# KiCad board leafony-az01c-panelized.kicad_pcb
title: Leafony AZ01C USB-C Leaf; date: 2026-04-22; rev: v1.0; company: mitdir Inc.
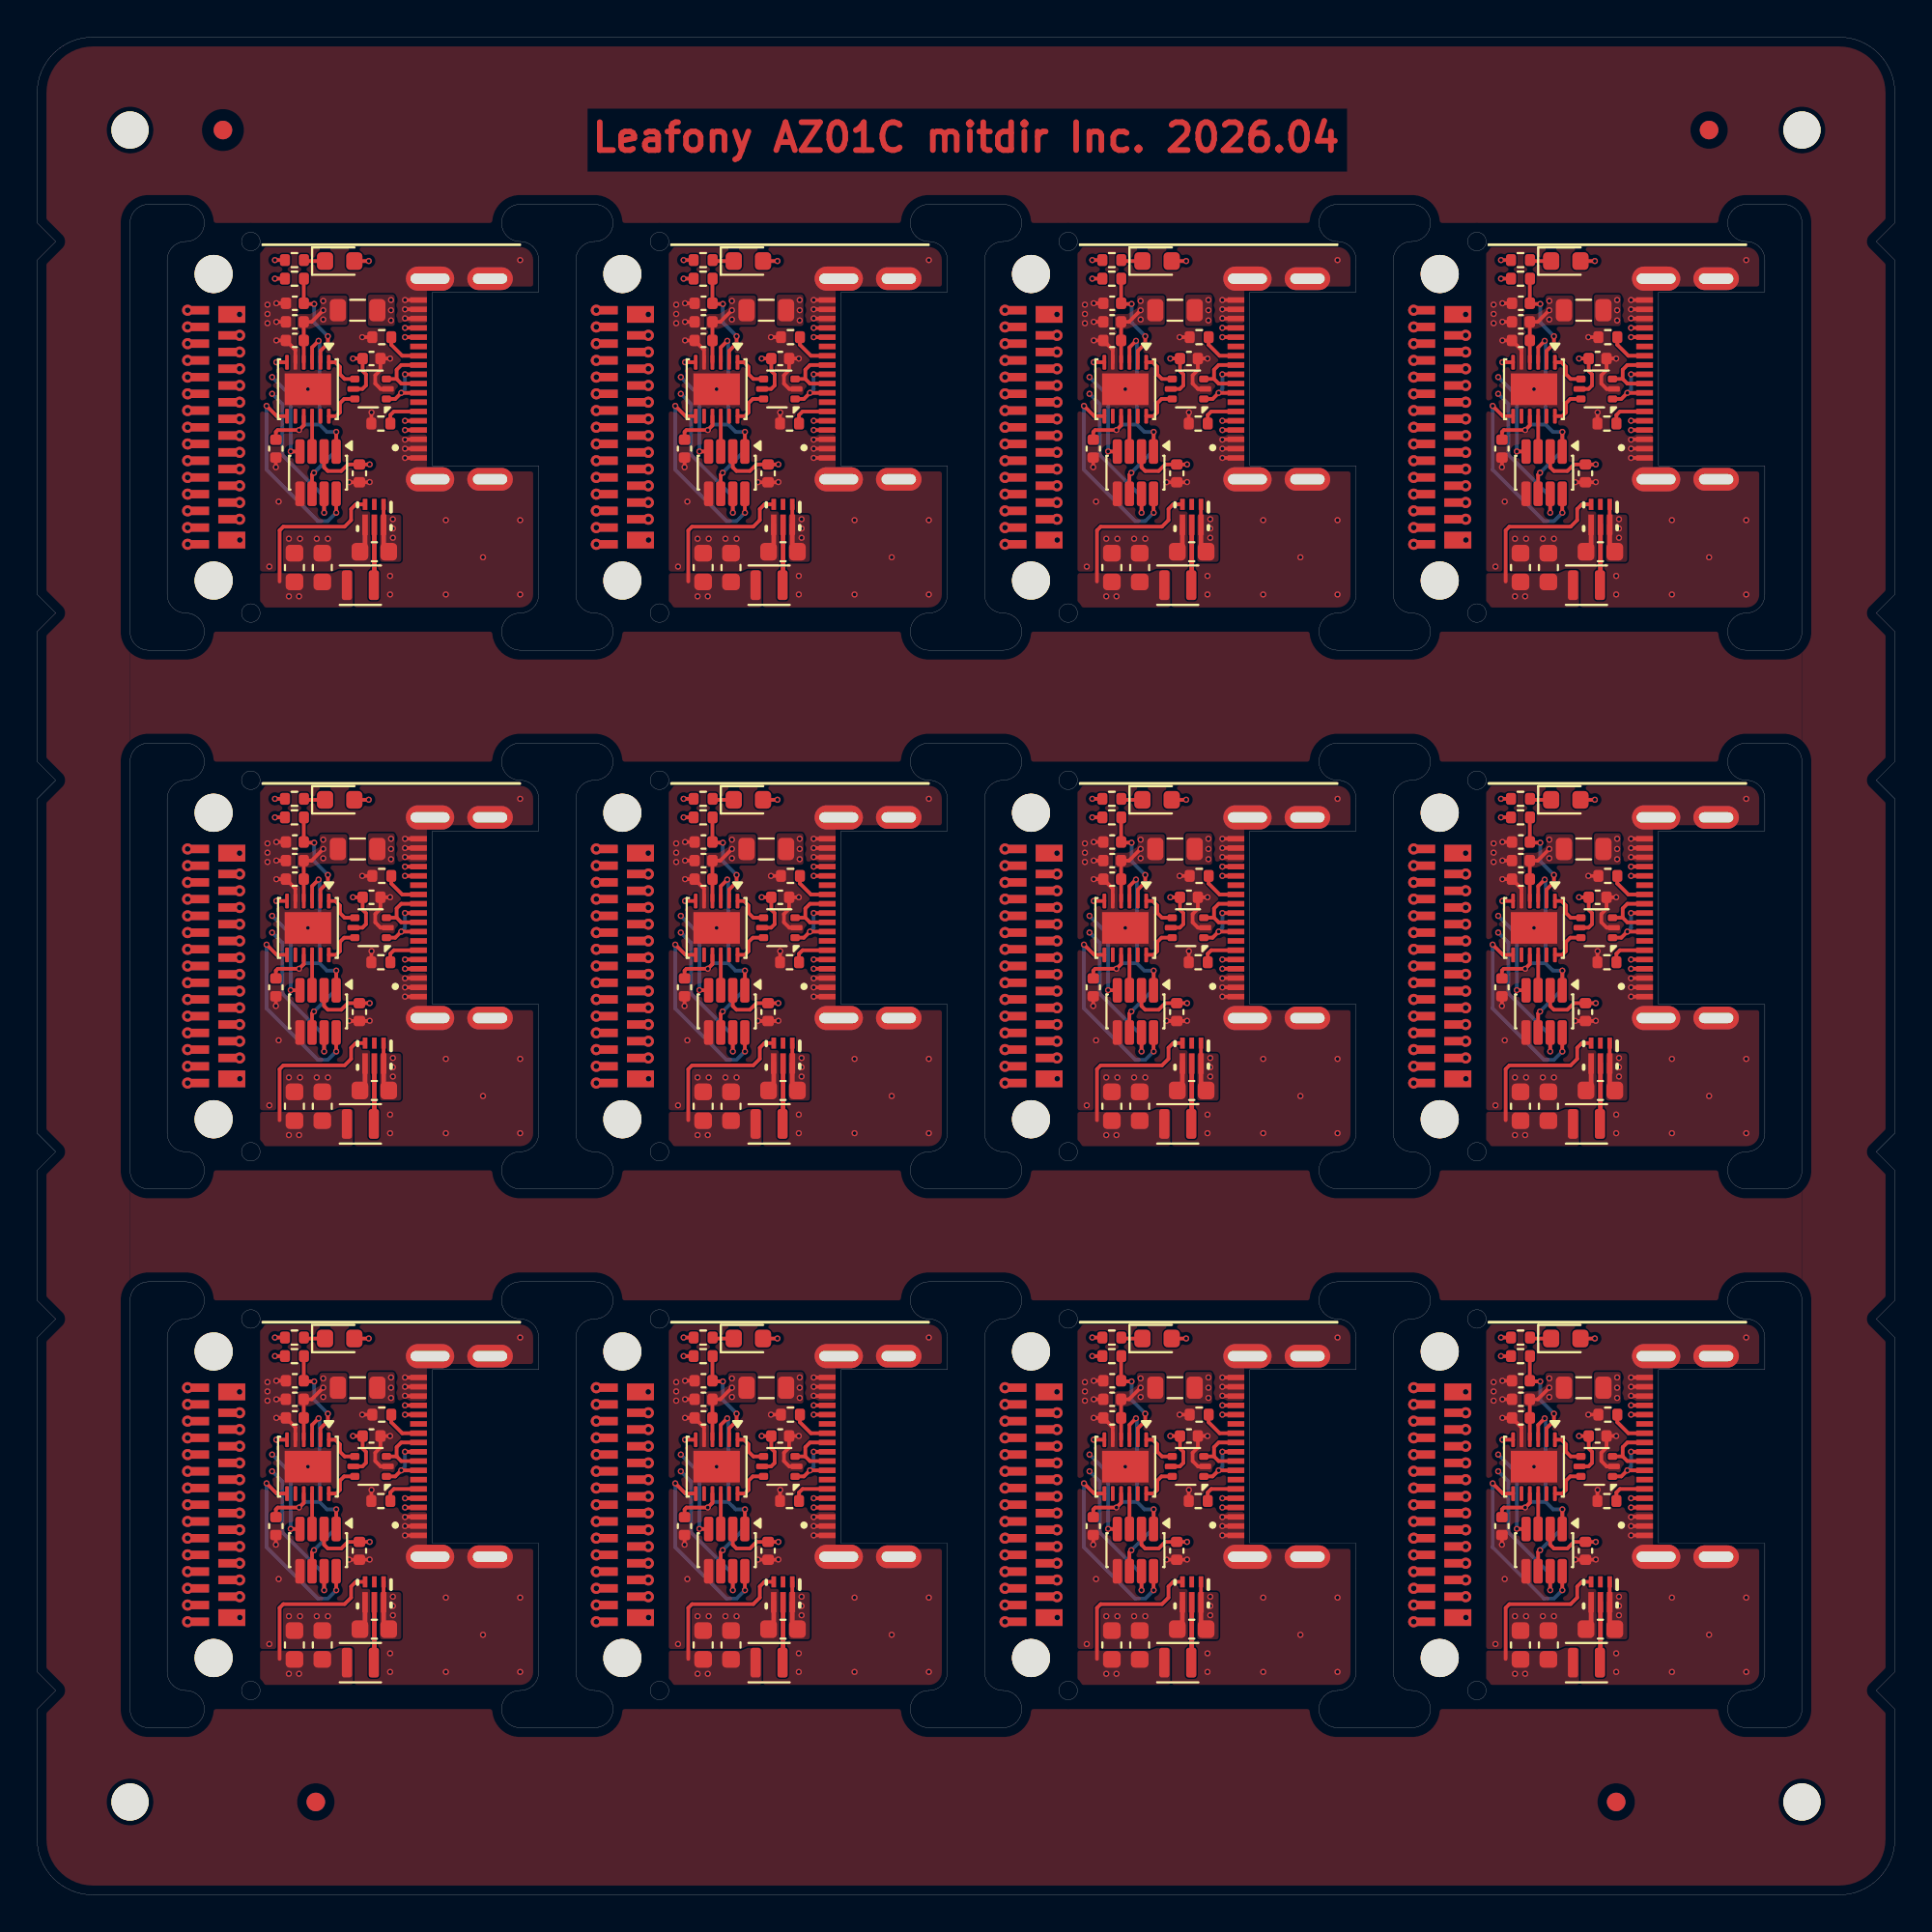
[diagram p0: board, top side]
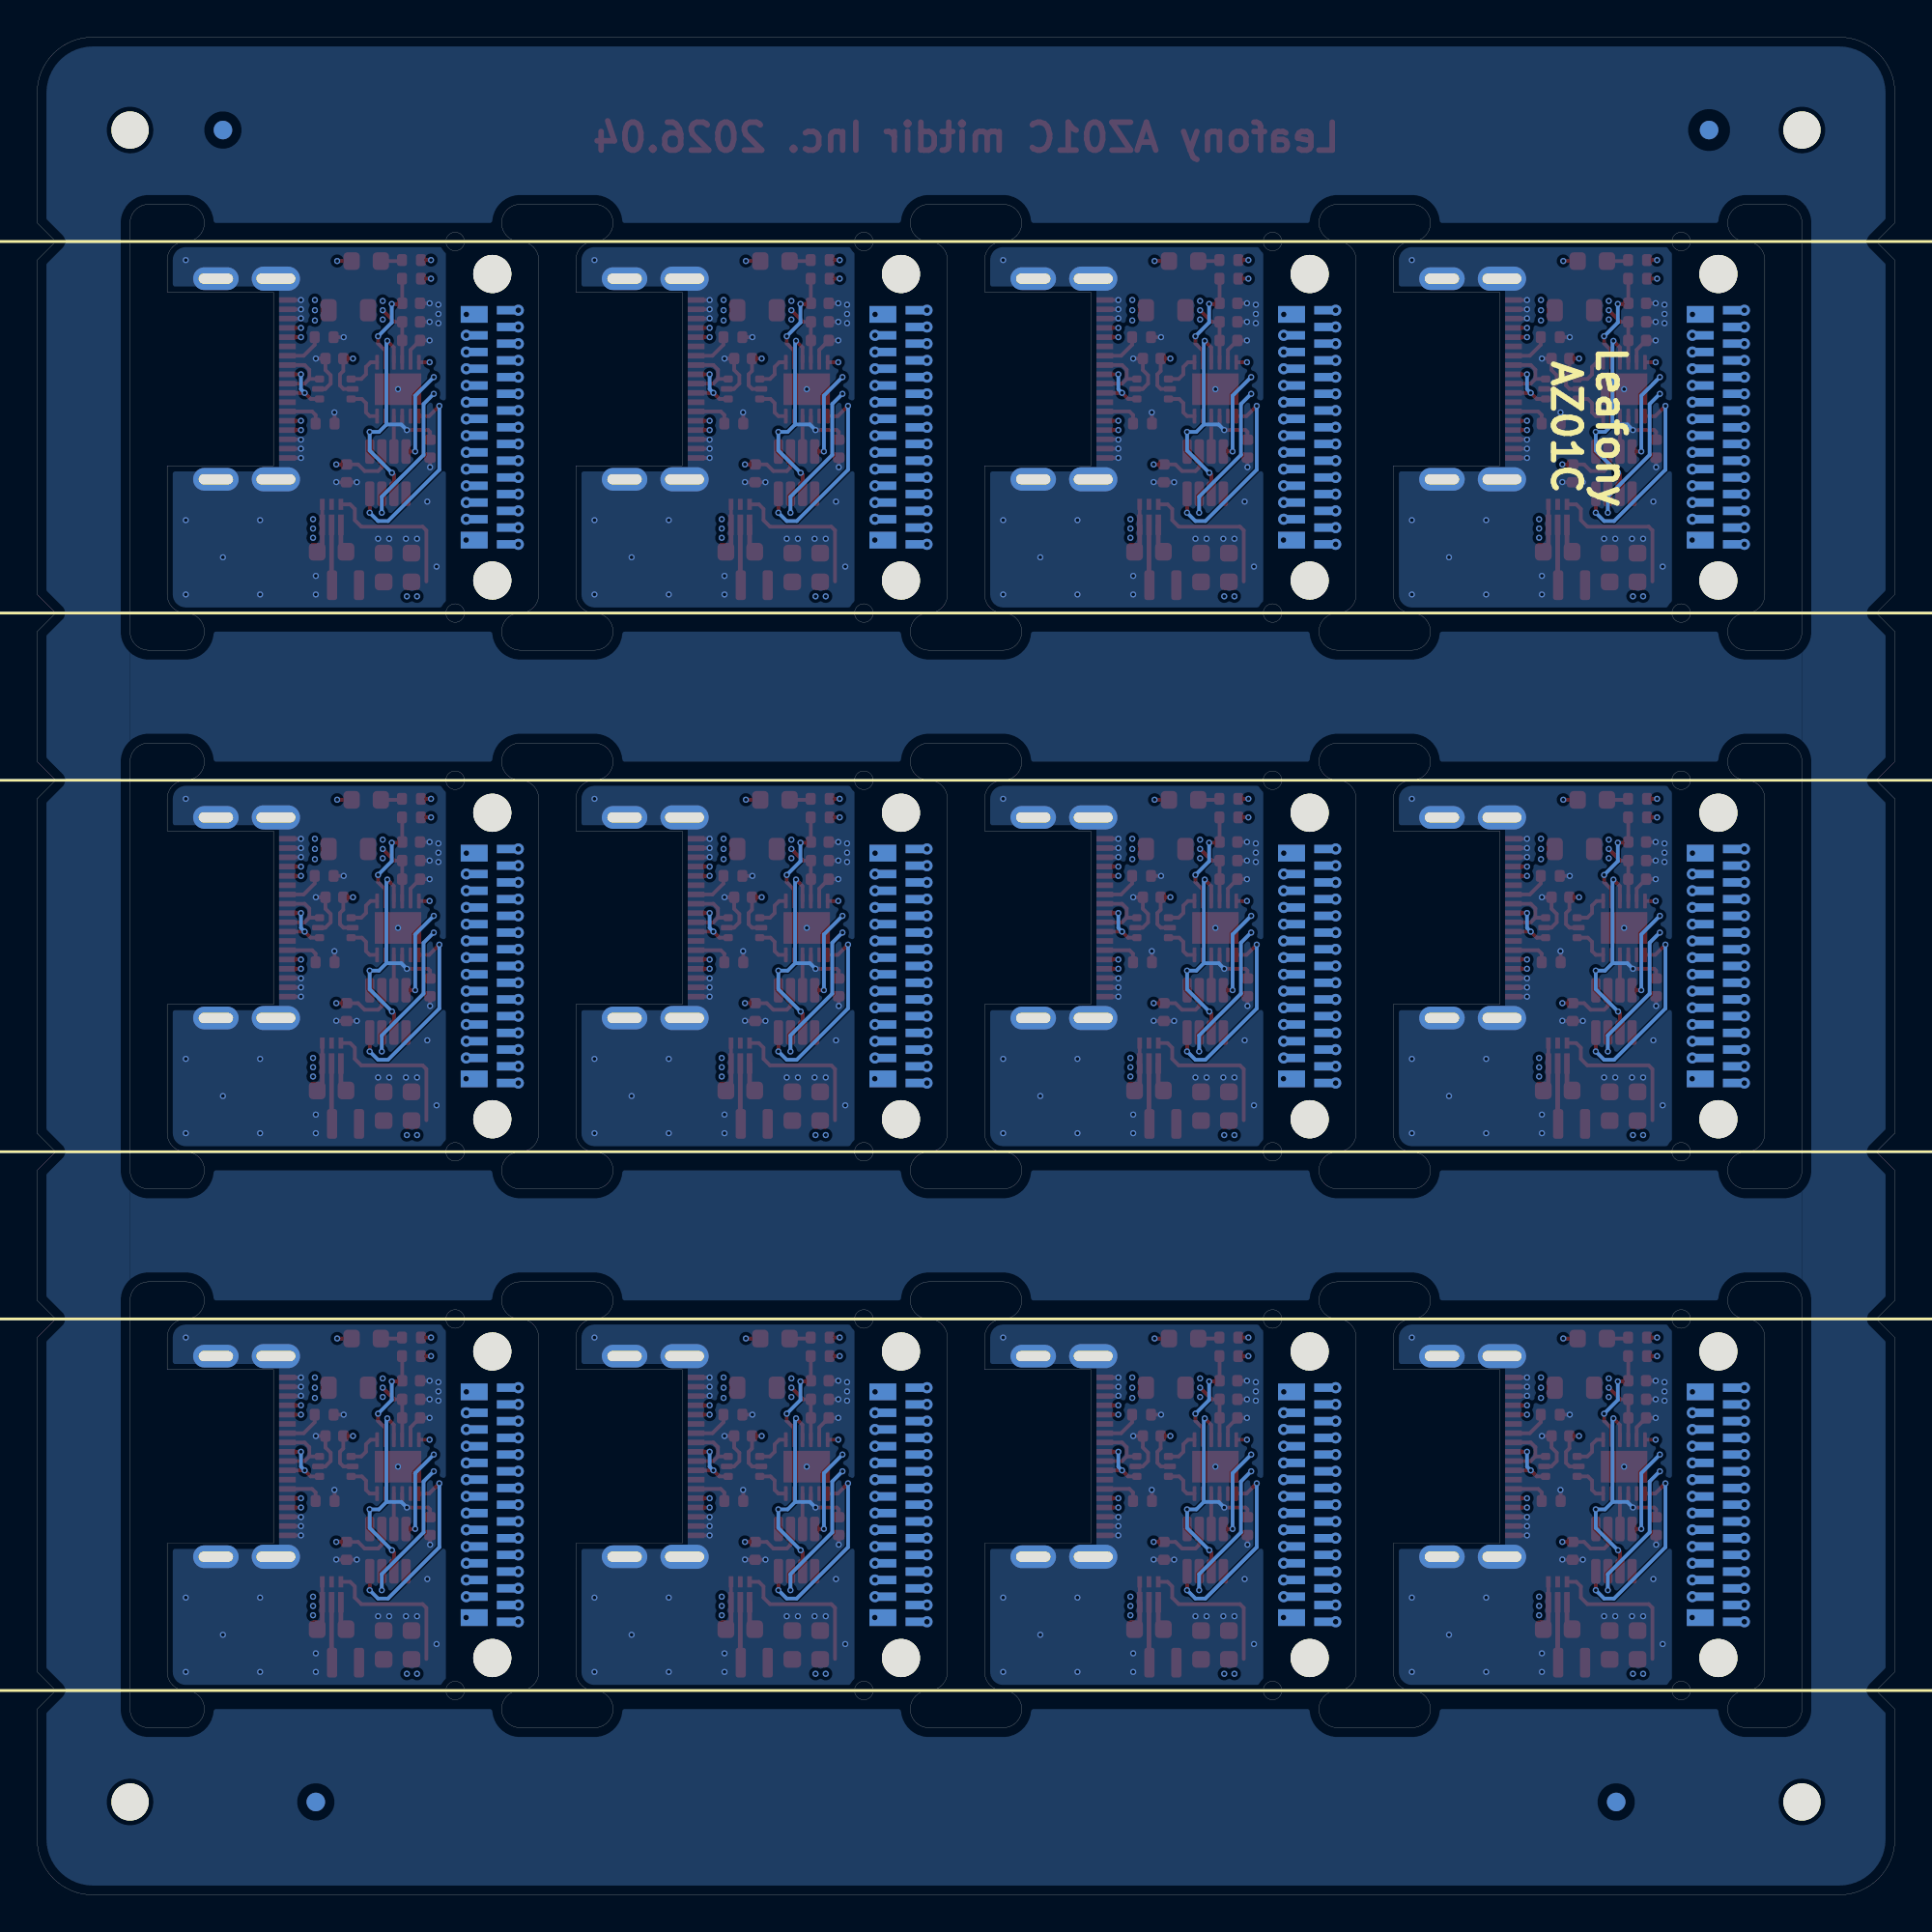
[diagram p1: board, bottom side, seen from below]

Outline 100 x 100 mm; copper layers: Top, In1.Cu, In2.Cu, Bottom. Coordinates in mm from the lower left corner of the outline.
Outline path: 27,87.6 27,88 arc(26.71,88.71) 26,89 arc(25,90) 26,91 30,91 arc(31,90) 30,89 arc(29.29,88.71) 29,88 29,70 arc(29.29,69.29) 30,69 arc(31,68) 30,67 26,67 arc(25,68) 26,69 arc(26.71,69.29) 27,70 27,75.6 ; 27,58.6 27,59 arc(26.71,59.71) 26,60 arc(25,61) 26,62 30,62 arc(31,61) 30,60 arc(29.29,59.71) 29,59 29,41 arc(29.29,40.29) 30,40 arc(31,39) 30,38 26,38 arc(25,39) 26,40 arc(26.71,40.29) 27,41 27,46.6 ; 27,29.6 27,30 arc(26.71,30.71) 26,31 arc(25,32) 26,33 30,33 arc(31,32) 30,31 arc(29.29,30.71) 29,30 29,12 arc(29.29,11.29) 30,11 arc(31,10) 30,9 26,9 arc(25,10) 26,11 arc(26.71,11.29) 27,12 27,17.6 ; 49,87.6 49,88 arc(48.71,88.71) 48,89 arc(47,90) 48,91 52,91 arc(53,90) 52,89 arc(51.29,88.71) 51,88 51,70 arc(51.29,69.29) 52,69 arc(53,68) 52,67 48,67 arc(47,68) 48,69 arc(48.71,69.29) 49,70 49,75.6 ; 49,58.6 49,59 arc(48.71,59.71) 48,60 arc(47,61) 48,62 52,62 arc(53,61) 52,60 arc(51.29,59.71) 51,59 51,41 arc(51.29,40.29) 52,40 arc(53,39) 52,38 48,38 arc(47,39) 48,40 arc(48.71,40.29) 49,41 49,46.6 ; 49,29.6 49,30 arc(48.71,30.71) 48,31 arc(47,32) 48,33 52,33 arc(53,32) 52,31 arc(51.29,30.71) 51,30 51,12 arc(51.29,11.29) 52,11 arc(53,10) 52,9 48,9 arc(47,10) 48,11 arc(48.71,11.29) 49,12 49,17.6 ; 71,87.6 71,88 arc(70.71,88.71) 70,89 arc(69,90) 70,91 74,91 arc(75,90) 74,89 arc(73.29,88.71) 73,88 73,70 arc(73.29,69.29) 74,69 arc(75,68) 74,67 70,67 arc(69,68) 70,69 arc(70.71,69.29) 71,70 71,75.6 ; 71,58.6 71,59 arc(70.71,59.71) 70,60 arc(69,61) 70,62 74,62 arc(75,61) 74,60 arc(73.29,59.71) 73,59 73,41 arc(73.29,40.29) 74,40 arc(75,39) 74,38 70,38 arc(69,39) 70,40 arc(70.71,40.29) 71,41 71,46.6 ; 71,29.6 71,30 arc(70.71,30.71) 70,31 arc(69,32) 70,33 74,33 arc(75,32) 74,31 arc(73.29,30.71) 73,30 73,12 arc(73.29,11.29) 74,11 arc(75,10) 74,9 70,9 arc(69,10) 70,11 arc(70.71,11.29) 71,12 71,17.6 ; 93,87.6 93,88 arc(92.71,88.71) 92,89 arc(91,90) 92,91 94,91 arc(94.71,90.71) 95,90 95,68 arc(94.71,67.29) 94,67 92,67 arc(91,68) 92,69 arc(92.71,69.29) 93,70 93,75.6 ; 93,58.6 93,59 arc(92.71,59.71) 92,60 arc(91,61) 92,62 94,62 arc(94.71,61.71) 95,61 95,39 arc(94.71,38.29) 94,38 92,38 arc(91,39) 92,40 arc(92.71,40.29) 93,41 93,46.6 ; 93,29.6 93,30 arc(92.71,30.71) 92,31 arc(91,32) 92,33 94,33 arc(94.71,32.71) 95,32 95,10 arc(94.71,9.29) 94,9 92,9 arc(91,10) 92,11 arc(92.71,11.29) 93,12 93,17.6 ; 0,97 arc(0.88,99.12) 3,100 97,100 arc(99.12,99.12) 100,97 100,90 99,89 100,88 100,70 99,69 100,68 100,61 99,60 100,59 100,41 99,40 100,39 100,32 99,31 100,30 100,12 99,11 100,10 100,3 arc(99.12,0.88) 97,0 3,0 arc(0.88,0.88) 0,3 0,10 1,11 0,12 0,30 1,31 0,32 0,39 1,40 0,41 0,59 1,60 0,61 0,68 1,69 0,70 0,88 1,89 0,90 0,97 ; 5,90 5,68 arc(5.29,67.29) 6,67 8,67 arc(9,68) 8,69 arc(7.29,69.29) 7,70 7,88 arc(7.29,88.71) 8,89 arc(9,90) 8,91 6,91 arc(5.29,90.71) 5,90 ; 5,61 5,39 arc(5.29,38.29) 6,38 8,38 arc(9,39) 8,40 arc(7.29,40.29) 7,41 7,59 arc(7.29,59.71) 8,60 arc(9,61) 8,62 6,62 arc(5.29,61.71) 5,61 ; 5,32 5,10 arc(5.29,9.29) 6,9 8,9 arc(9,10) 8,11 arc(7.29,11.29) 7,12 7,30 arc(7.29,30.71) 8,31 arc(9,32) 8,33 6,33 arc(5.29,32.71) 5,32 ; 11,89 arc(11.5,89.5) 12,89 arc(11.5,88.5) 11,89 ; 11,69 arc(11.5,69.5) 12,69 arc(11.5,68.5) 11,69 ; 11,60 arc(11.5,60.5) 12,60 arc(11.5,59.5) 11,60 ; 11,40 arc(11.5,40.5) 12,40 arc(11.5,39.5) 11,40 ; 11,31 arc(11.5,31.5) 12,31 arc(11.5,30.5) 11,31 ; 11,11 arc(11.5,11.5) 12,11 arc(11.5,10.5) 11,11 ; 33,89 arc(33.5,89.5) 34,89 arc(33.5,88.5) 33,89 ; 33,69 arc(33.5,69.5) 34,69 arc(33.5,68.5) 33,69 ; 33,60 arc(33.5,60.5) 34,60 arc(33.5,59.5) 33,60 ; 33,40 arc(33.5,40.5) 34,40 arc(33.5,39.5) 33,40 ; 33,31 arc(33.5,31.5) 34,31 arc(33.5,30.5) 33,31 ; 33,11 arc(33.5,11.5) 34,11 arc(33.5,10.5) 33,11 ; 55,89 arc(55.5,89.5) 56,89 arc(55.5,88.5) 55,89 ; 55,69 arc(55.5,69.5) 56,69 arc(55.5,68.5) 55,69 ; 55,60 arc(55.5,60.5) 56,60 arc(55.5,59.5) 55,60 ; 55,40 arc(55.5,40.5) 56,40 arc(55.5,39.5) 55,40 ; 55,31 arc(55.5,31.5) 56,31 arc(55.5,30.5) 55,31 ; 55,11 arc(55.5,11.5) 56,11 arc(55.5,10.5) 55,11 ; 77,89 arc(77.5,89.5) 78,89 arc(77.5,88.5) 77,89 ; 77,69 arc(77.5,69.5) 78,69 arc(77.5,68.5) 77,69 ; 77,60 arc(77.5,60.5) 78,60 arc(77.5,59.5) 77,60 ; 77,40 arc(77.5,40.5) 78,40 arc(77.5,39.5) 77,40 ; 77,31 arc(77.5,31.5) 78,31 arc(77.5,30.5) 77,31 ; 77,11 arc(77.5,11.5) 78,11 arc(77.5,10.5) 77,11
Stack: Top 0.035mm / dielectric 0.1mm FR4 er 4.5 / In1.Cu 0.035mm / dielectric 0.44mm FR4 er 4.5 / In2.Cu 0.035mm / dielectric 0.1mm FR4 er 4.5 / Bottom 0.035mm

## Placement (name value [footprint] x y rotation side)
C1  0.1uF(K)/50V/X5R  [C_0402_1005Metric]  12.85 19.85 270 top
C1#2  0.1uF(K)/50V/X5R  [C_0402_1005Metric]  56.85 77.85 270 top
C1#3  0.1uF(K)/50V/X5R  [C_0402_1005Metric]  12.85 48.85 270 top
C1#4  0.1uF(K)/50V/X5R  [C_0402_1005Metric]  34.85 19.85 270 top
C1#5  0.1uF(K)/50V/X5R  [C_0402_1005Metric]  12.85 77.85 270 top
C1#6  0.1uF(K)/50V/X5R  [C_0402_1005Metric]  56.85 48.85 270 top
C1#7  0.1uF(K)/50V/X5R  [C_0402_1005Metric]  78.85 19.85 270 top
C1#8  0.1uF(K)/50V/X5R  [C_0402_1005Metric]  78.85 48.85 270 top
C1#9  0.1uF(K)/50V/X5R  [C_0402_1005Metric]  78.85 77.85 270 top
C1#10  0.1uF(K)/50V/X5R  [C_0402_1005Metric]  34.85 48.85 270 top
C1#11  0.1uF(K)/50V/X5R  [C_0402_1005Metric]  34.85 77.85 270 top
C1#12  0.1uF(K)/50V/X5R  [C_0402_1005Metric]  56.85 19.85 270 top
C2  0.1uF(K)/50V/X5R  [C_0402_1005Metric]  13.87 54.67 180 top
C2#2  0.1uF(K)/50V/X5R  [C_0402_1005Metric]  35.87 54.67 180 top
C2#3  0.1uF(K)/50V/X5R  [C_0402_1005Metric]  57.87 54.67 180 top
C2#4  0.1uF(K)/50V/X5R  [C_0402_1005Metric]  79.87 54.67 180 top
C2#5  0.1uF(K)/50V/X5R  [C_0402_1005Metric]  57.87 83.67 180 top
C2#6  0.1uF(K)/50V/X5R  [C_0402_1005Metric]  13.87 25.67 180 top
C2#7  0.1uF(K)/50V/X5R  [C_0402_1005Metric]  57.87 25.67 180 top
C2#8  0.1uF(K)/50V/X5R  [C_0402_1005Metric]  35.87 25.67 180 top
C2#9  0.1uF(K)/50V/X5R  [C_0402_1005Metric]  13.87 83.67 180 top
C2#10  0.1uF(K)/50V/X5R  [C_0402_1005Metric]  79.87 83.67 180 top
C2#11  0.1uF(K)/50V/X5R  [C_0402_1005Metric]  35.87 83.67 180 top
C2#12  0.1uF(K)/50V/X5R  [C_0402_1005Metric]  79.87 25.67 180 top
C3  4.7uF(M)/6.3V/X5R  [C_0402_1005Metric]  13.87 55.67 0 top
C3#2  4.7uF(M)/6.3V/X5R  [C_0402_1005Metric]  13.87 26.67 0 top
C3#3  4.7uF(M)/6.3V/X5R  [C_0402_1005Metric]  79.87 26.67 0 top
C3#4  4.7uF(M)/6.3V/X5R  [C_0402_1005Metric]  35.87 55.67 0 top
C3#5  4.7uF(M)/6.3V/X5R  [C_0402_1005Metric]  79.87 55.67 0 top
C3#6  4.7uF(M)/6.3V/X5R  [C_0402_1005Metric]  13.87 84.67 0 top
C3#7  4.7uF(M)/6.3V/X5R  [C_0402_1005Metric]  35.87 26.67 0 top
C3#8  4.7uF(M)/6.3V/X5R  [C_0402_1005Metric]  57.87 26.67 0 top
C3#9  4.7uF(M)/6.3V/X5R  [C_0402_1005Metric]  57.87 84.67 0 top
C3#10  4.7uF(M)/6.3V/X5R  [C_0402_1005Metric]  35.87 84.67 0 top
C3#11  4.7uF(M)/6.3V/X5R  [C_0402_1005Metric]  79.87 84.67 0 top
C3#12  4.7uF(M)/6.3V/X5R  [C_0402_1005Metric]  57.87 55.67 0 top
C4  0.1uF(K)/50V/X5R  [C_0402_1005Metric]  83.35 76.52 90 top
C4#2  0.1uF(K)/50V/X5R  [C_0402_1005Metric]  17.35 18.52 90 top
C4#3  0.1uF(K)/50V/X5R  [C_0402_1005Metric]  83.35 47.52 90 top
C4#4  0.1uF(K)/50V/X5R  [C_0402_1005Metric]  39.35 47.52 90 top
C4#5  0.1uF(K)/50V/X5R  [C_0402_1005Metric]  61.35 47.52 90 top
C4#6  0.1uF(K)/50V/X5R  [C_0402_1005Metric]  61.35 76.52 90 top
C4#7  0.1uF(K)/50V/X5R  [C_0402_1005Metric]  39.35 18.52 90 top
C4#8  0.1uF(K)/50V/X5R  [C_0402_1005Metric]  39.35 76.52 90 top
C4#9  0.1uF(K)/50V/X5R  [C_0402_1005Metric]  17.35 76.52 90 top
C4#10  0.1uF(K)/50V/X5R  [C_0402_1005Metric]  61.35 18.52 90 top
C4#11  0.1uF(K)/50V/X5R  [C_0402_1005Metric]  83.35 18.52 90 top
C4#12  0.1uF(K)/50V/X5R  [C_0402_1005Metric]  17.35 47.52 90 top
C5  0.1uF(K)/50V/X5R  [C_0402_1005Metric]  18 82.7 180 top
C5#2  0.1uF(K)/50V/X5R  [C_0402_1005Metric]  18 24.7 180 top
C5#3  0.1uF(K)/50V/X5R  [C_0402_1005Metric]  62 53.7 180 top
C5#4  0.1uF(K)/50V/X5R  [C_0402_1005Metric]  62 82.7 180 top
C5#5  0.1uF(K)/50V/X5R  [C_0402_1005Metric]  18 53.7 180 top
C5#6  0.1uF(K)/50V/X5R  [C_0402_1005Metric]  40 24.7 180 top
C5#7  0.1uF(K)/50V/X5R  [C_0402_1005Metric]  84 24.7 180 top
C5#8  0.1uF(K)/50V/X5R  [C_0402_1005Metric]  40 53.7 180 top
C5#9  0.1uF(K)/50V/X5R  [C_0402_1005Metric]  84 53.7 180 top
C5#10  0.1uF(K)/50V/X5R  [C_0402_1005Metric]  40 82.7 180 top
C5#11  0.1uF(K)/50V/X5R  [C_0402_1005Metric]  84 82.7 180 top
C5#12  0.1uF(K)/50V/X5R  [C_0402_1005Metric]  62 24.7 180 top
C6  10nF(K)/50V/X7R  [C_0402_1005Metric]  35.87 56.67 0 top
C6#2  10nF(K)/50V/X7R  [C_0402_1005Metric]  13.87 85.67 0 top
C6#3  10nF(K)/50V/X7R  [C_0402_1005Metric]  57.87 56.67 0 top
C6#4  10nF(K)/50V/X7R  [C_0402_1005Metric]  35.87 27.67 0 top
C6#5  10nF(K)/50V/X7R  [C_0402_1005Metric]  79.87 56.67 0 top
C6#6  10nF(K)/50V/X7R  [C_0402_1005Metric]  79.87 27.67 0 top
C6#7  10nF(K)/50V/X7R  [C_0402_1005Metric]  57.87 85.67 0 top
C6#8  10nF(K)/50V/X7R  [C_0402_1005Metric]  13.87 27.67 0 top
C6#9  10nF(K)/50V/X7R  [C_0402_1005Metric]  13.87 56.67 0 top
C6#10  10nF(K)/50V/X7R  [C_0402_1005Metric]  79.87 85.67 0 top
C6#11  10nF(K)/50V/X7R  [C_0402_1005Metric]  57.87 27.67 0 top
C6#12  10nF(K)/50V/X7R  [C_0402_1005Metric]  35.87 85.67 0 top
C7  4.7uF(K) 10V X5R  [C_0603_1608Metric]  84.15 72.3 180 top
C7#2  4.7uF(K) 10V X5R  [C_0603_1608Metric]  62.15 72.3 180 top
C7#3  4.7uF(K) 10V X5R  [C_0603_1608Metric]  84.15 43.3 180 top
C7#4  4.7uF(K) 10V X5R  [C_0603_1608Metric]  18.15 43.3 180 top
C7#5  4.7uF(K) 10V X5R  [C_0603_1608Metric]  40.15 43.3 180 top
C7#6  4.7uF(K) 10V X5R  [C_0603_1608Metric]  40.15 72.3 180 top
C7#7  4.7uF(K) 10V X5R  [C_0603_1608Metric]  84.15 14.3 180 top
C7#8  4.7uF(K) 10V X5R  [C_0603_1608Metric]  18.15 14.3 180 top
C7#9  4.7uF(K) 10V X5R  [C_0603_1608Metric]  40.15 14.3 180 top
C7#10  4.7uF(K) 10V X5R  [C_0603_1608Metric]  18.15 72.3 180 top
C7#11  4.7uF(K) 10V X5R  [C_0603_1608Metric]  62.15 43.3 180 top
C7#12  4.7uF(K) 10V X5R  [C_0603_1608Metric]  62.15 14.3 180 top
C8  10uF(M) 10V X5R  [C_0603_1608Metric]  81.35 71.45 90 top
C8#2  10uF(M) 10V X5R  [C_0603_1608Metric]  81.35 13.45 90 top
C8#3  10uF(M) 10V X5R  [C_0603_1608Metric]  15.35 13.45 90 top
C8#4  10uF(M) 10V X5R  [C_0603_1608Metric]  59.35 42.45 90 top
C8#5  10uF(M) 10V X5R  [C_0603_1608Metric]  15.35 42.45 90 top
C8#6  10uF(M) 10V X5R  [C_0603_1608Metric]  37.35 42.45 90 top
C8#7  10uF(M) 10V X5R  [C_0603_1608Metric]  37.35 13.45 90 top
C8#8  10uF(M) 10V X5R  [C_0603_1608Metric]  59.35 13.45 90 top
C8#9  10uF(M) 10V X5R  [C_0603_1608Metric]  59.35 71.45 90 top
C8#10  10uF(M) 10V X5R  [C_0603_1608Metric]  15.35 71.45 90 top
C8#11  10uF(M) 10V X5R  [C_0603_1608Metric]  37.35 71.45 90 top
C8#12  10uF(M) 10V X5R  [C_0603_1608Metric]  81.35 42.45 90 top
C9  10uF(M) 10V X5R  [C_0603_1608Metric]  13.85 13.45 90 top
C9#2  10uF(M) 10V X5R  [C_0603_1608Metric]  79.85 13.45 90 top
C9#3  10uF(M) 10V X5R  [C_0603_1608Metric]  57.85 13.45 90 top
C9#4  10uF(M) 10V X5R  [C_0603_1608Metric]  35.85 71.45 90 top
C9#5  10uF(M) 10V X5R  [C_0603_1608Metric]  13.85 71.45 90 top
C9#6  10uF(M) 10V X5R  [C_0603_1608Metric]  57.85 71.45 90 top
C9#7  10uF(M) 10V X5R  [C_0603_1608Metric]  13.85 42.45 90 top
C9#8  10uF(M) 10V X5R  [C_0603_1608Metric]  57.85 42.45 90 top
C9#9  10uF(M) 10V X5R  [C_0603_1608Metric]  35.85 42.45 90 top
C9#10  10uF(M) 10V X5R  [C_0603_1608Metric]  79.85 71.45 90 top
C9#11  10uF(M) 10V X5R  [C_0603_1608Metric]  35.85 13.45 90 top
C9#12  10uF(M) 10V X5R  [C_0603_1608Metric]  79.85 42.45 90 top
CN1  Leafony Bus  [CN_F29_B29]  76.47 14.92 90 top
CN1#2  Leafony Bus  [CN_F29_B29]  10.48 43.92 90 top
CN1#3  Leafony Bus  [CN_F29_B29]  54.47 14.92 90 top
CN1#4  Leafony Bus  [CN_F29_B29]  54.47 43.92 90 top
CN1#5  Leafony Bus  [CN_F29_B29]  54.47 72.92 90 top
CN1#6  Leafony Bus  [CN_F29_B29]  76.47 43.92 90 top
CN1#7  Leafony Bus  [CN_F29_B29]  32.48 14.92 90 top
CN1#8  Leafony Bus  [CN_F29_B29]  10.48 72.92 90 top
CN1#9  Leafony Bus  [CN_F29_B29]  32.48 43.92 90 top
CN1#10  Leafony Bus  [CN_F29_B29]  32.48 72.92 90 top
CN1#11  Leafony Bus  [CN_F29_B29]  10.48 14.92 90 top
CN1#12  Leafony Bus  [CN_F29_B29]  76.47 72.92 90 top
D1  Red LED  [LED_0603_1608Metric]  60.29 29.95 0 top
D1#2  Red LED  [LED_0603_1608Metric]  60.29 58.95 0 top
D1#3  Red LED  [LED_0603_1608Metric]  38.29 58.95 0 top
D1#4  Red LED  [LED_0603_1608Metric]  16.29 29.95 0 top
D1#5  Red LED  [LED_0603_1608Metric]  16.29 87.95 0 top
D1#6  Red LED  [LED_0603_1608Metric]  16.29 58.95 0 top
D1#7  Red LED  [LED_0603_1608Metric]  38.29 87.95 0 top
D1#8  Red LED  [LED_0603_1608Metric]  38.29 29.95 0 top
D1#9  Red LED  [LED_0603_1608Metric]  82.29 58.95 0 top
D1#10  Red LED  [LED_0603_1608Metric]  82.29 87.95 0 top
D1#11  Red LED  [LED_0603_1608Metric]  60.29 87.95 0 top
D1#12  Red LED  [LED_0603_1608Metric]  82.29 29.95 0 top
FB1  600 Ohms @ 100 MHz  [L_0805_2012Metric]  39.25 85.3 180 top